# Altium PCB top_INA_v2.PcbDoc (part 1 of 4)
Units mil, origin at the board's own origin, x right, y up, seen from the top; angles counter-clockwise.
Board outline 13413.03 x 6200.01 mil, 2 copper layers (Top Layer, Bottom Layer); 582 components, 532 nets, 1562 pads, 336 vias.
Unrouted connection lines stored in the file: 144.
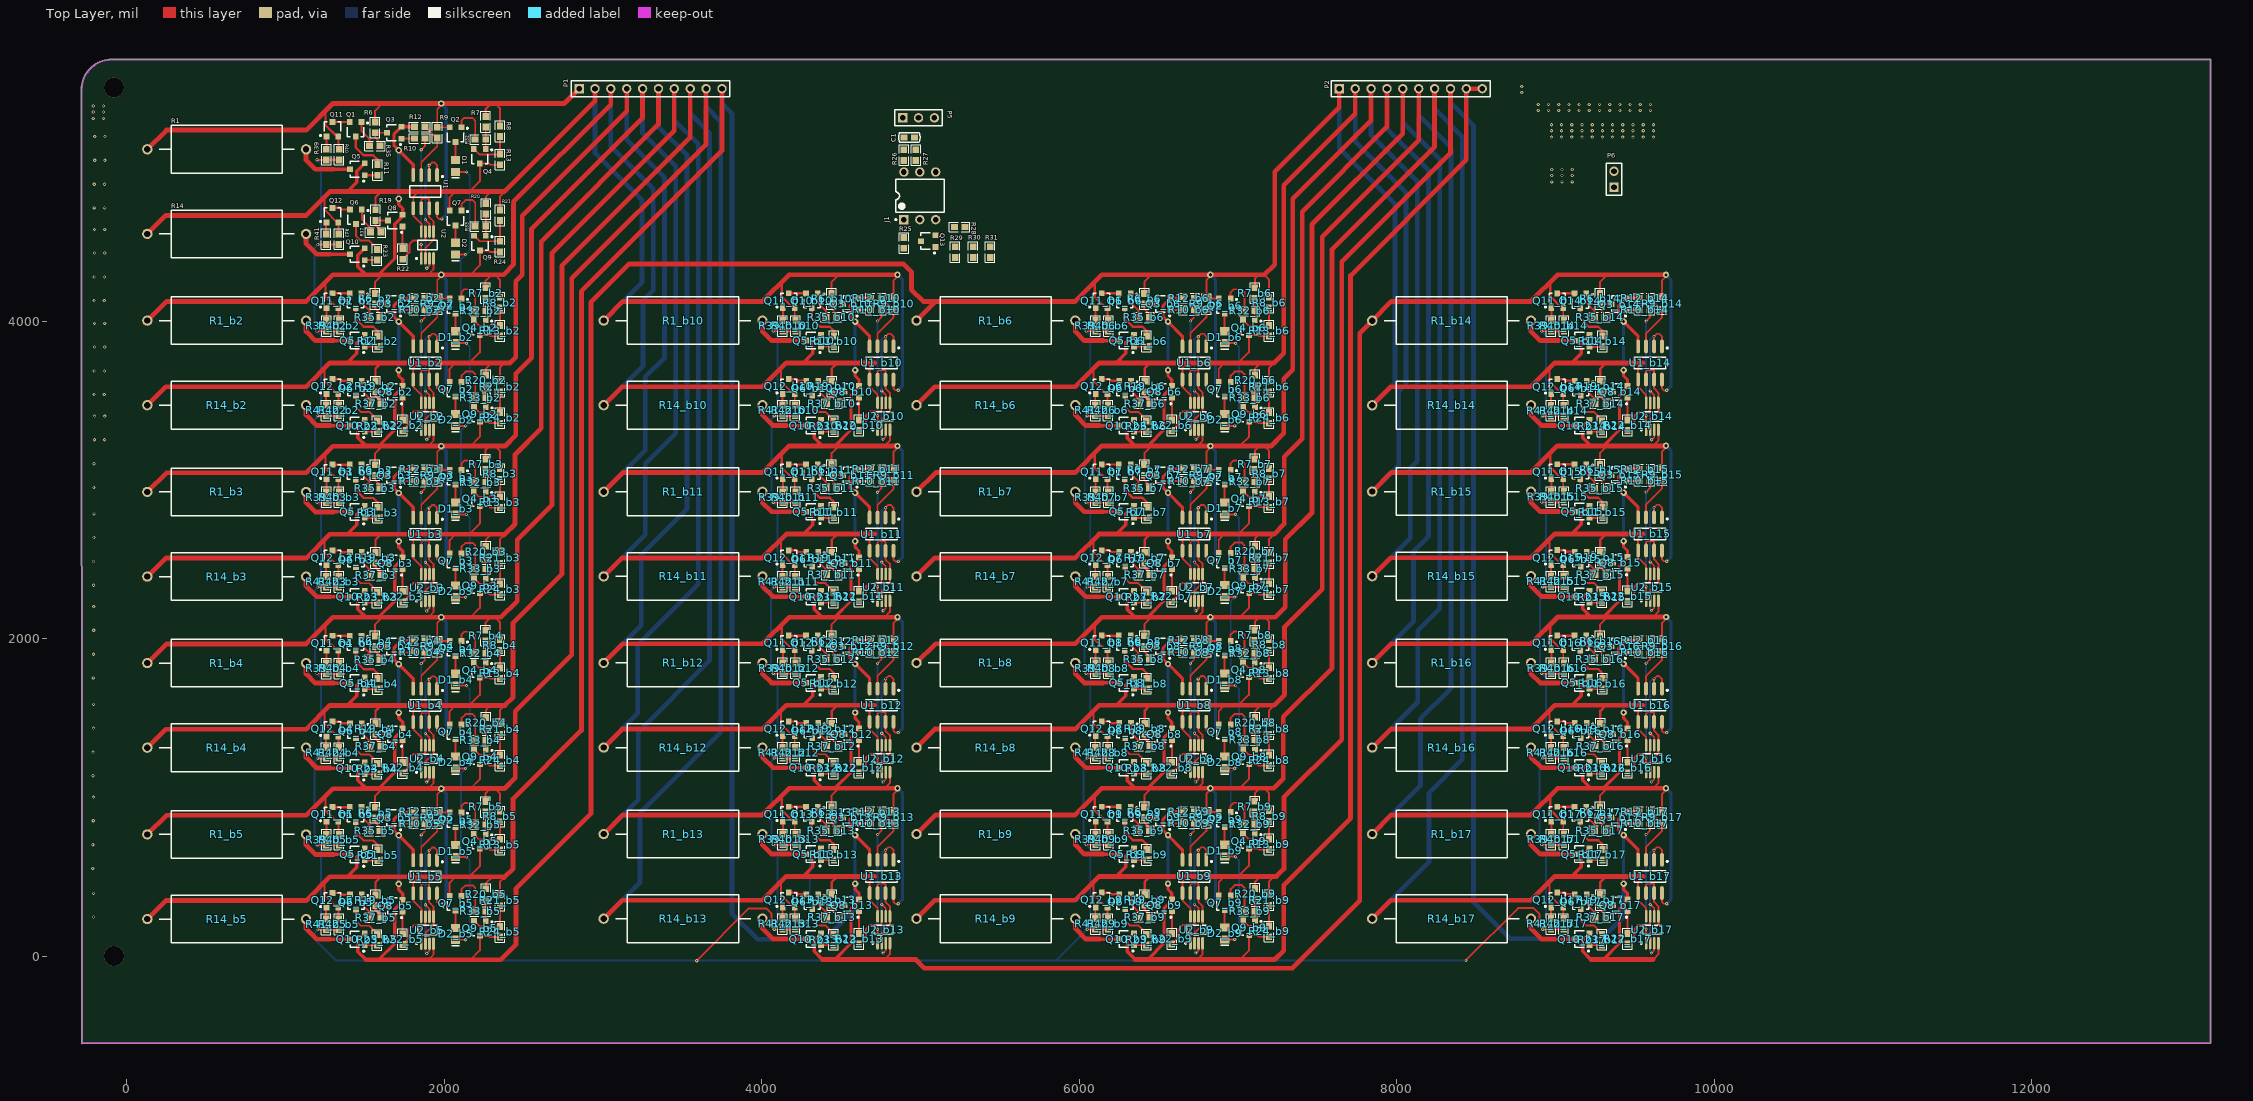
[diagram p0: Top Layer view]
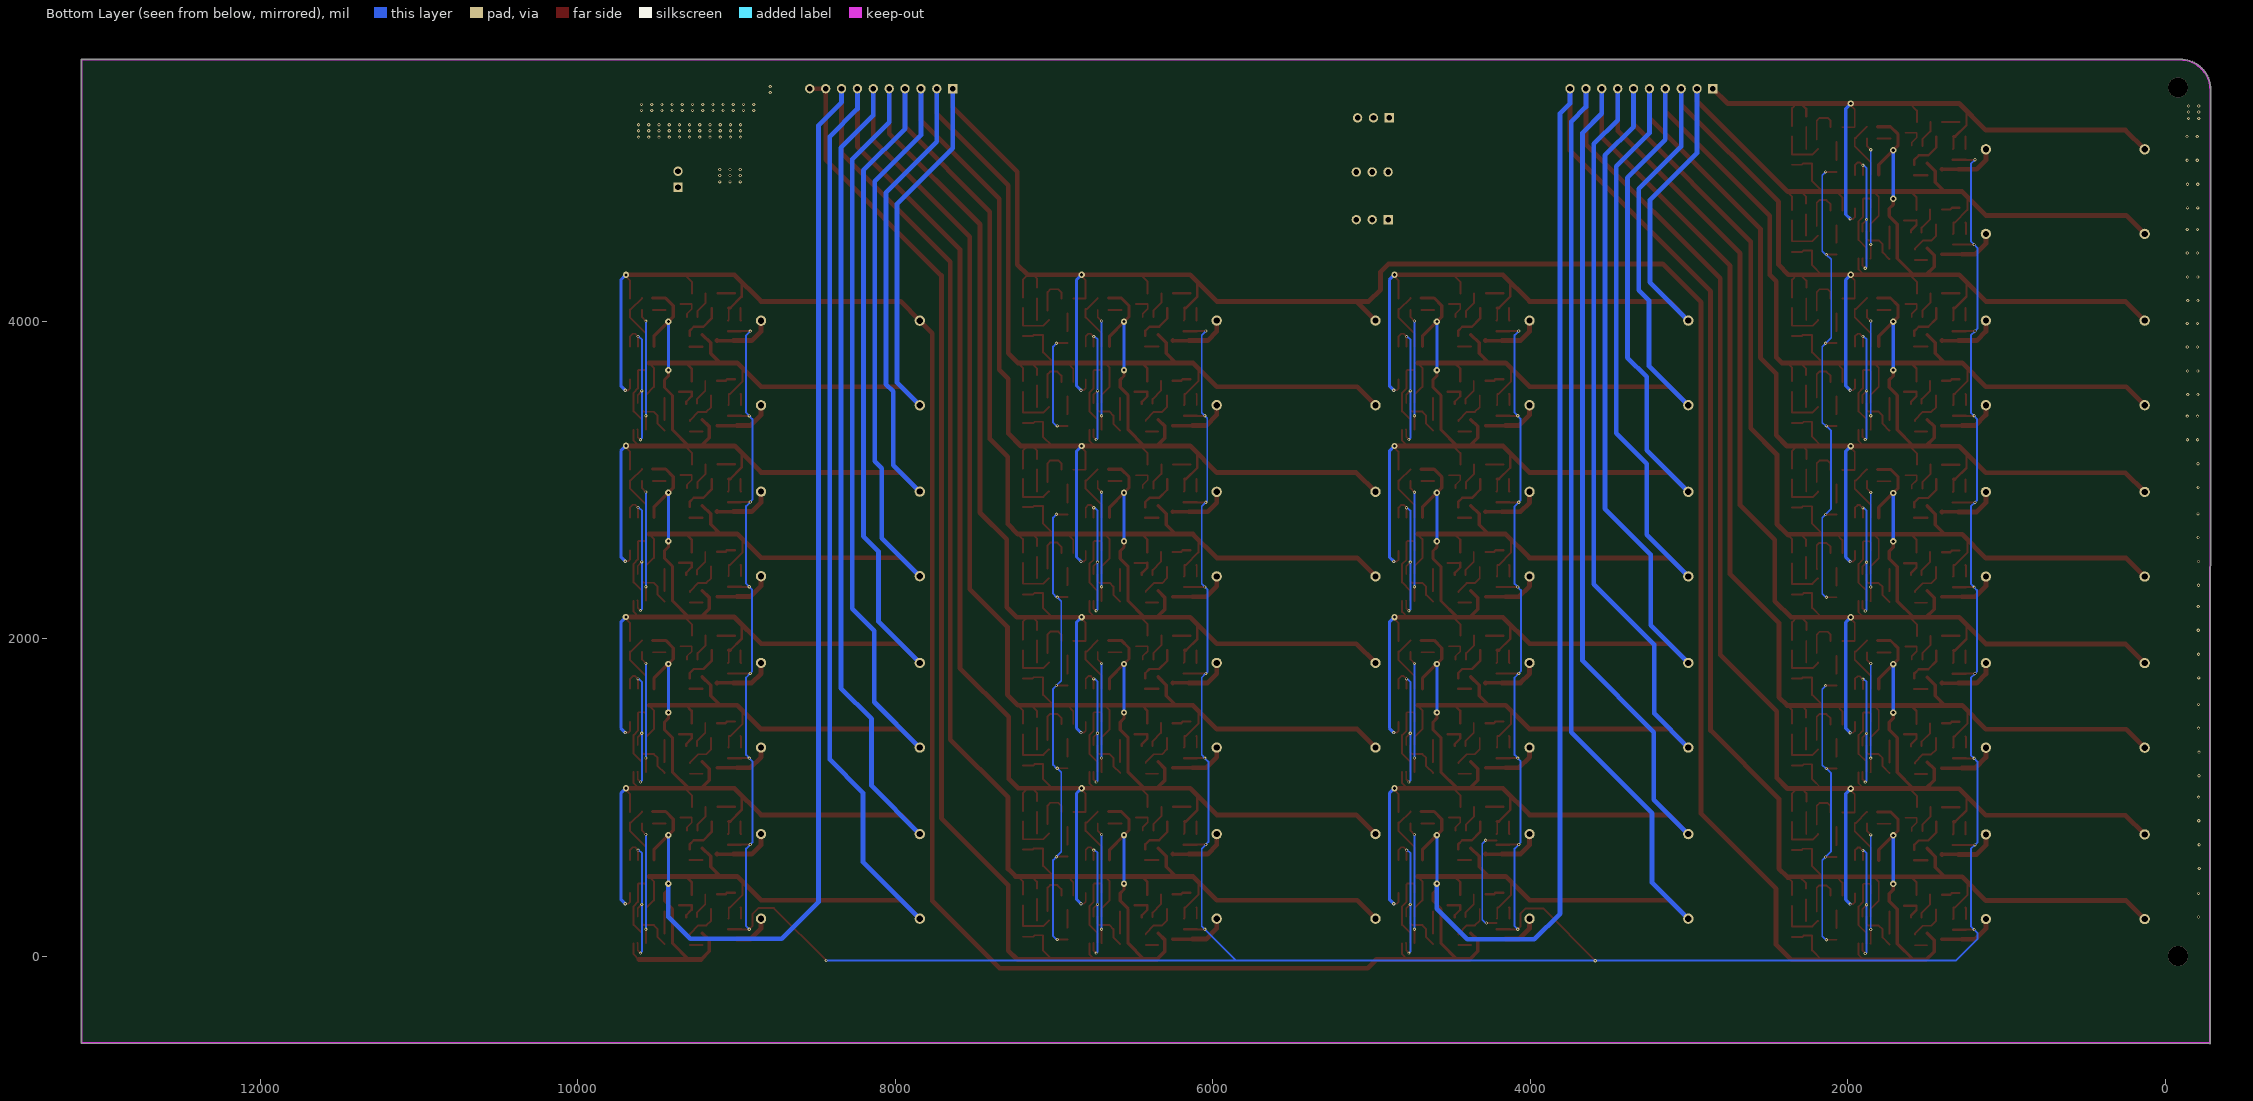
[diagram p1: Bottom Layer view, seen from below]
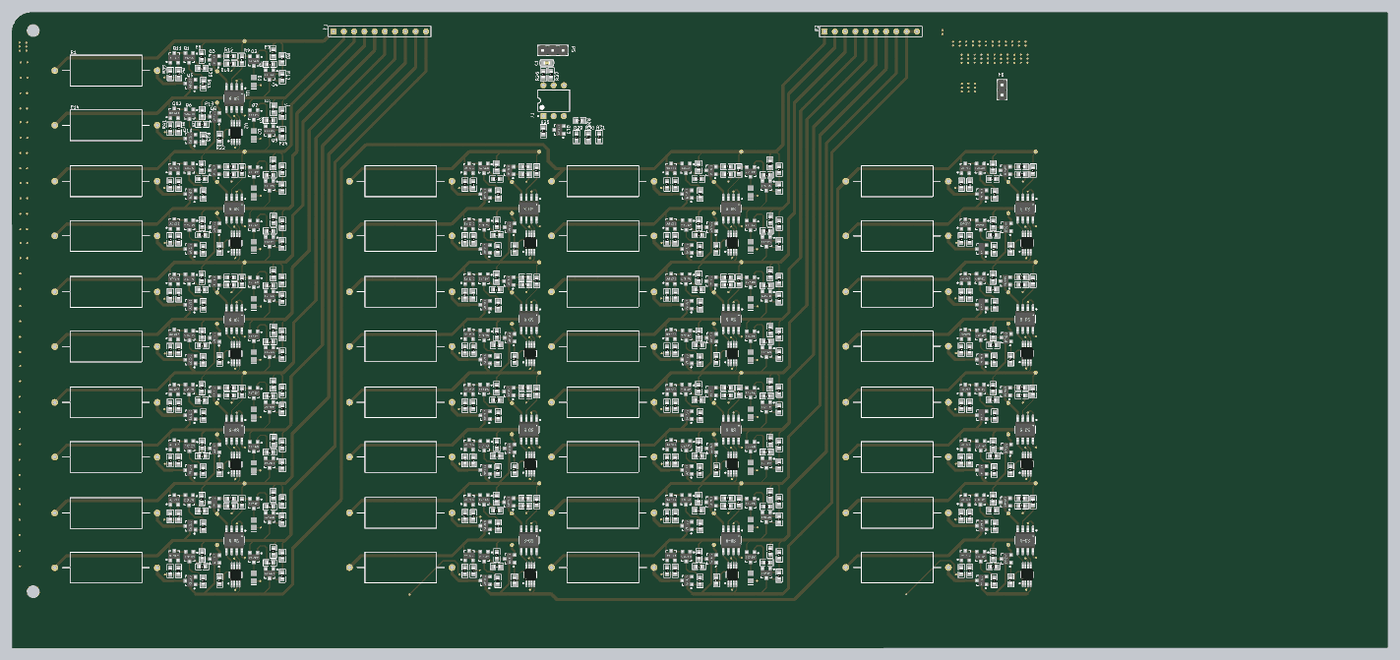
[diagram p5: 3D render of the assembled board from above, using the file's embedded part models]

## Layer stack, top to bottom
Top Solder: solder mask 0.4, Solder Resist, Dk 3.5
Top Layer: signal copper 1.4
Dielectric 1: dielectric 12.6, FR-4, Dk 4.8
Bottom Layer: signal copper 1.4
Bottom Solder: solder mask 0.4, Solder Resist, Dk 3.5

## Board outline
-277.83,-549.99 cw(c-277.83,-544.98) -282.84,-544.98 -286.02,5458 cw(c-281,5458) -286.01,5458.03 cw(c-93,5456.99) -93.97,5650 cw(c-93.94,5644.99) -93.54,5649.99 cw(c-93,5645) -93,5650.01 13122,5650.01 cw(c13122,5645) 13127.01,5645 13127.01,-542.66 cw(c13122,-542.66) 13122,-547.68

## Design rules (kind name [scope] priority, off if disabled: settings)
Clearance [All] p1: gap=10
HoleSize [All] p1: absolutevalues=TRUE maxlimit=1000 minlimit=0 maxpercent=80.000 minpercent=20.000
MinimumSolderMaskSliver [All] p1: minsoldermaskwidth=0
PolygonConnect [All] p1: connectstyle=Relief reliefconductorwidth=10 reliefentries=4 polygonreliefangle="90 Angle" airgapwidth=10
RoomDefinition b3 [InComponentClass('b3')] p1: confinementstyle=ConfineIn formatcopy=TRUE lockcomponents=FALSE outline 72,2108 2481,2108 2481,3244 72,3244
RoomDefinition balance_1.1 [InComponentClass('balance_1.1')] p2: confinementstyle=ConfineIn formatcopy=TRUE lockcomponents=FALSE outline 72,4266 2481,4266 2481,5402 72,5402
RoomDefinition b17 [InComponentClass('b17')] p3: confinementstyle=ConfineIn formatcopy=TRUE lockcomponents=FALSE outline 7786,-47 9756,-47 9756,1089 7786,1089
RoomDefinition b16 [InComponentClass('b16')] p4: confinementstyle=ConfineIn formatcopy=TRUE lockcomponents=FALSE outline 7786,1031 9756,1031 9756,2167 7786,2167
RoomDefinition b15 [InComponentClass('b15')] p5: confinementstyle=ConfineIn formatcopy=TRUE lockcomponents=FALSE outline 7786,2110 9756,2110 9756,3246 7786,3246
RoomDefinition b14 [InComponentClass('b14')] p6: confinementstyle=ConfineIn formatcopy=TRUE lockcomponents=FALSE outline 7786,3186.74 9756,3186.74 9756,4322.74 7786,4322.74
RoomDefinition b13 [InComponentClass('b13')] p7: confinementstyle=ConfineIn formatcopy=TRUE lockcomponents=FALSE outline 2946,-47 4916,-47 4916,1089 2946,1089
RoomDefinition b12 [InComponentClass('b12')] p8: confinementstyle=ConfineIn formatcopy=TRUE lockcomponents=FALSE outline 2946,1031 4916,1031 4916,2167 2946,2167
RoomDefinition b11 [InComponentClass('b11')] p9: confinementstyle=ConfineIn formatcopy=TRUE lockcomponents=FALSE outline 2946,2109 4916,2109 4916,3245 2946,3245
RoomDefinition b10 [InComponentClass('b10')] p10: confinementstyle=ConfineIn formatcopy=TRUE lockcomponents=FALSE outline 2946,3187 4916,3187 4916,4323 2946,4323
RoomDefinition b9 [InComponentClass('b9')] p11: confinementstyle=ConfineIn formatcopy=TRUE lockcomponents=FALSE outline 4916,-47 7325,-47 7325,1089 4916,1089
RoomDefinition b8 [InComponentClass('b8')] p12: confinementstyle=ConfineIn formatcopy=TRUE lockcomponents=FALSE outline 4916,1031 7325,1031 7325,2167 4916,2167
RoomDefinition b7 [InComponentClass('b7')] p13: confinementstyle=ConfineIn formatcopy=TRUE lockcomponents=FALSE outline 4916,2109 7325,2109 7325,3245 4916,3245
RoomDefinition b6 [InComponentClass('b6')] p14: confinementstyle=ConfineIn formatcopy=TRUE lockcomponents=FALSE outline 4916,3187 7325,3187 7325,4323 4916,4323
RoomDefinition b5 [InComponentClass('b5')] p15: confinementstyle=ConfineIn formatcopy=TRUE lockcomponents=FALSE outline 72,-49 2481,-49 2481,1087 72,1087
RoomDefinition b4 [InComponentClass('b4')] p16: confinementstyle=ConfineIn formatcopy=TRUE lockcomponents=FALSE outline 72,1030 2481,1030 2481,2166 72,2166
RoomDefinition b2 [InComponentClass('b2')] p17: confinementstyle=ConfineIn formatcopy=TRUE lockcomponents=FALSE outline 72,3187 2481,3187 2481,4323 72,4323
RoutingVias [All] p1: holewidth=10 width=20 viastyle="Through Hole" minholewidth=1 minwidth=1 maxholewidth=100 maxwidth=100
SilkToSilkClearance [All] p1: silktosilkclearance=1
SilkToSolderMaskClearance [IsPad] p1: minsilkscreentomaskgap=1 clearancetoexposedcopper=TRUE
SolderMaskExpansion [All] p1: expansion=0
Width [All] p1: maxlimit=100 minlimit=1 preferedwidth=12 minimp=50.000000 maximp=50.000000 favimp=50.000000
26 further rules are at their usual default settings.

## Classes and differential pairs
component class b3: D1_b3 D1_b19 D2_b3 D2_b19 Q1_b3 Q1_b19 Q2_b3 Q2_b19 Q3_b3 Q3_b19 Q4_b3 Q4_b19 Q5_b3 Q5_b19 Q6_b3 Q6_b19 Q7_b3 Q7_b19 Q8_b3 Q8_b19 Q9_b3 Q9_b19 Q10_b3 Q10_b19 Q11_b3 Q12_b3 R1_b3 R1_b19 R2_b19 R3_b19 R4_b19 R5_b19 R6_b3 R6_b19 R7_b3 R7_b19 R8_b3 R8_b19 R9_b3 R9_b19 R10_b3 R10_b19 R11_b3 R11_b19 R12_b3 R12_b19 R13_b3 R13_b19 R14_b3 R14_b19 R15_b19 R16_b19 R17_b19 R18_b19 R19_b3 R19_b19 R20_b3 R20_b19 R21_b3 R21_b19 R22_b3 R22_b19 R23_b3 R23_b19 R24_b3 R24_b19 R32_b3 R33_b3 R35_b3 R35_b19 R36_b19 R37_b3 R37_b19 R38_b19 R39_b3 R40_b3 R41_b3 R42_b3 U1_b3 U1_b19 U2_b3 U2_b19
component class b17: D2_b19 Q1_b17 Q1_b19 Q3_b17 Q5_b17 Q5_b19 Q6_b17 Q8_b17 Q10_b17 Q10_b19 Q11_b17 Q12_b17 R1_b17 R3_b19 R5_b19 R6_b17 R6_b19 R9_b17 R9_b19 R10_b17 R11_b17 R11_b19 R12_b17 R13_b19 R14_b17 R14_b19 R16_b19 R18_b19 R19_b17 R20_b19 R22_b17 R22_b19 R23_b17 R24_b19 R35_b17 R36_b19 R37_b17 R38_b19 R39_b17 R40_b17 R41_b17 R42_b17 U1_b17 U2_b17 U2_b19
component class b16: Q1_b16 Q3_b16 Q5_b16 Q6_b16 Q8_b16 Q10_b16 Q11_b16 Q12_b16 R1_b16 R6_b16 R9_b16 R10_b16 R11_b16 R12_b16 R14_b16 R14_b19 R16_b19 R19_b16 R22_b16 R23_b16 R35_b16 R37_b16 R39_b16 R40_b16 R41_b16 R42_b16 U1_b16 U2_b16
component class b15: Q1_b15 Q3_b15 Q5_b15 Q6_b15 Q8_b15 Q10_b15 Q11_b15 Q12_b15 R1_b15 R6_b15 R9_b15 R10_b15 R11_b15 R12_b15 R14_b15 R19_b15 R22_b15 R23_b15 R35_b15 R37_b15 R39_b15 R40_b15 R41_b15 R42_b15 U1_b15 U2_b15
component class b14: Q1_b14 Q3_b14 Q5_b14 Q6_b14 Q8_b14 Q10_b14 Q11_b14 Q12_b14 R1_b14 R6_b14 R9_b14 R10_b14 R11_b14 R12_b14 R14_b14 R19_b14 R22_b14 R23_b14 R35_b14 R37_b14 R39_b14 R40_b14 R41_b14 R42_b14 U1_b14 U2_b14
component class b13: Q1_b13 Q3_b13 Q5_b13 Q6_b13 Q8_b13 Q10_b13 Q11_b13 Q12_b13 R1_b13 R6_b13 R9_b13 R10_b13 R11_b13 R12_b13 R14_b13 R19_b13 R22_b13 R23_b13 R35_b13 R37_b13 R39_b13 R40_b13 R41_b13 R42_b13 U1_b13 U2_b13
component class b12: Q1_b12 Q3_b12 Q5_b12 Q6_b12 Q8_b12 Q10_b12 Q11_b12 Q12_b12 R1_b12 R6_b12 R9_b12 R10_b12 R11_b12 R12_b12 R14_b12 R19_b12 R22_b12 R23_b12 R35_b12 R37_b12 R39_b12 R40_b12 R41_b12 R42_b12 U1_b12 U2_b12
component class b10: Q1_b10 Q3_b10 Q5_b10 Q6_b10 Q8_b10 Q10_b10 Q11_b10 Q12_b10 R1_b10 R6_b10 R9_b10 R10_b10 R11_b10 R12_b10 R14_b10 R19_b10 R22_b10 R23_b10 R35_b10 R37_b10 R39_b10 R40_b10 R41_b10 R42_b10 U1_b10 U2_b10
component class b11: Q1_b11 Q3_b11 Q5_b11 Q6_b11 Q8_b11 Q10_b11 Q11_b11 Q12_b11 R1_b11 R6_b11 R9_b11 R10_b11 R11_b11 R12_b11 R14_b11 R19_b11 R22_b11 R23_b11 R35_b11 R37_b11 R39_b11 R40_b11 R41_b11 R42_b11 U1_b11 U2_b11
component class b9: D1_b9 D2_b9 Q1_b9 Q2_b9 Q3_b9 Q4_b9 Q5_b9 Q6_b9 Q7_b9 Q8_b9 Q9_b9 Q10_b9 Q11_b9 Q12_b9 R1_b9 R6_b9 R7_b9 R8_b9 R9_b9 R10_b9 R11_b9 R12_b9 R13_b9 R14_b9 R19_b9 R20_b9 R21_b9 R22_b9 R23_b9 R24_b9 R32_b9 R33_b9 R35_b9 R37_b9 R39_b9 R40_b9 R41_b9 R42_b9 U1_b9 U2_b9
component class b8: D1_b8 D2_b8 Q1_b8 Q2_b8 Q3_b8 Q4_b8 Q5_b8 Q6_b8 Q7_b8 Q8_b8 Q9_b8 Q10_b8 Q11_b8 Q12_b8 R1_b8 R6_b8 R7_b8 R8_b8 R9_b8 R10_b8 R11_b8 R12_b8 R13_b8 R14_b8 R19_b8 R20_b8 R21_b8 R22_b8 R23_b8 R24_b8 R32_b8 R33_b8 R35_b8 R37_b8 R39_b8 R40_b8 R41_b8 R42_b8 U1_b8 U2_b8
component class b7: D1_b7 D2_b7 Q1_b7 Q2_b7 Q3_b7 Q4_b7 Q5_b7 Q6_b7 Q7_b7 Q8_b7 Q9_b7 Q10_b7 Q11_b7 Q12_b7 R1_b7 R6_b7 R7_b7 R8_b7 R9_b7 R10_b7 R11_b7 R12_b7 R13_b7 R14_b7 R19_b7 R20_b7 R21_b7 R22_b7 R23_b7 R24_b7 R32_b7 R33_b7 R35_b7 R37_b7 R39_b7 R40_b7 R41_b7 R42_b7 U1_b7 U2_b7
component class b6: D1_b6 D2_b6 Q1_b6 Q2_b6 Q3_b6 Q4_b6 Q5_b6 Q6_b6 Q7_b6 Q8_b6 Q9_b6 Q10_b6 Q11_b6 Q12_b6 R1_b6 R6_b6 R7_b6 R8_b6 R9_b6 R10_b6 R11_b6 R12_b6 R13_b6 R14_b6 R19_b6 R20_b6 R21_b6 R22_b6 R23_b6 R24_b6 R32_b6 R33_b6 R35_b6 R37_b6 R39_b6 R40_b6 R41_b6 R42_b6 U1_b6 U2_b6
component class b5: D1_b5 D2_b5 Q1_b5 Q2_b5 Q3_b5 Q4_b5 Q5_b5 Q6_b5 Q7_b5 Q8_b5 Q9_b5 Q10_b5 Q11_b5 Q12_b5 R1_b5 R6_b5 R7_b5 R8_b5 R9_b5 R10_b5 R11_b5 R12_b5 R13_b5 R14_b5 R19_b5 R20_b5 R21_b5 R22_b5 R23_b5 R24_b5 R32_b5 R33_b5 R35_b5 R37_b5 R39_b5 R40_b5 R41_b5 R42_b5 U1_b5 U2_b5
component class top_1: C1 J1 P1 P2 P5 P6 Q13 R25 R26 R27 R28 R29 R30 R31
component class b4: D1_b4 D2_b4 Q1_b4 Q2_b4 Q3_b4 Q4_b4 Q5_b4 Q6_b4 Q7_b4 Q8_b4 Q9_b4 Q10_b4 Q11_b4 Q12_b4 R1_b4 R6_b4 R7_b4 R8_b4 R9_b4 R10_b4 R11_b4 R12_b4 R13_b4 R14_b4 R19_b4 R20_b4 R21_b4 R22_b4 R23_b4 R24_b4 R32_b4 R33_b4 R35_b4 R37_b4 R39_b4 R40_b4 R41_b4 R42_b4 U1_b4 U2_b4
component class balance_1.1: D1 D2 Q1 Q2 Q3 Q4 Q5 Q6 Q7 Q8 Q9 Q10 Q11 Q12 R1 R6 R7 R8 R9 R10 R11 R12 R13 R14 R19 R20 R21 R22 R23 R24 R32 R33 R35 R37 R39 R40 R41 R42 U1 U2
net class OUT[1..16]: OUT2 OUT5 OUT8 OUT9 OUT10 OUT11 OUT12 OUT13 OUT14 OUT15 OUT16
net class IN_A[1..16]: IN_A0 IN_A1 IN_A2 IN_A3 IN_A4 IN_A5 IN_A6 IN_A7 IN_A8 IN_A9 IN_A10 IN_A11 IN_A12 IN_A13 IN_A14 IN_A15 IN_A16
component class b2: D1_b1 D1_b2 D2_b1 D2_b2 Q1_b1 Q1_b2 Q2_b1 Q2_b2 Q3_b1 Q3_b2 Q4_b1 Q4_b2 Q5_b1 Q5_b2 Q6_b1 Q6_b2 Q7_b1 Q7_b2 Q8_b1 Q8_b2 Q9_b1 Q9_b2 Q10_b1 Q10_b2 Q11_b2 Q12_b2 R1_b1 R1_b2 R2_b1 R3_b1 R4_b1 R5_b1 R6_b1 R6_b2 R7_b1 R7_b2 R8_b1 R8_b2 R9_b1 R9_b2 R10_b1 R10_b2 R11_b1 R11_b2 R12_b1 R12_b2 R13_b1 R13_b2 R14_b1 R14_b2 R15_b1 R16_b1 R17_b1 R18_b1 R19_b1 R19_b2 R20_b1 R20_b2 R21_b1 R21_b2 R22_b1 R22_b2 R23_b1 R23_b2 R24_b1 R24_b2 R32_b2 R33_b2 R35_b2 R37_b2 R39_b2 R40_b2 R41_b2 R42_b2 U1_b1 U1_b2 U2_b1 U2_b2
net class IN_B[1..16]: IN_B8
net class IN_C[1..16]: IN_C8
net class OUT_G[1..16]: OUT_G16
channel class balance_1.1: b2 b3 b4 b5 b6 b7 b8 b9 b10 b11 b12 b13 b14 b15 b16 b17 b18 balance_1.1

## Components (designator, comment, footprint, x,y, rotation, side; value= is the part's Value field where it differs from the comment)
C1 "Cap-S" C-0603 4930,5157 r180 top
D1 "1N4148" LED-0805 2071.87,4977.54 r270 top
D1_b2 "1N4148" LED-0805 2071.87,3898.54 r270 top (schematic designator D1)
D1_b3 "1N4148" LED-0805 2071.87,2819.54 r270 top (schematic designator D1)
D1_b4 "1N4148" LED-0805 2071.87,1741.54 r270 top (schematic designator D1)
D1_b5 "1N4148" LED-0805 2071.87,662.54 r270 top (schematic designator D1)
D1_b6 "1N4148" LED-0805 6915.87,3898.54 r270 top (schematic designator D1)
D1_b7 "1N4148" LED-0805 6915.87,2820.54 r270 top (schematic designator D1)
D1_b8 "1N4148" LED-0805 6915.87,1742.54 r270 top (schematic designator D1)
D1_b9 "1N4148" LED-0805 6915.87,664.54 r270 top (schematic designator D1)
D2 "1N4148" LED-0805 2071.87,4456.54 r270 top
D2_b2 "1N4148" LED-0805 2071.87,3377.54 r270 top (schematic designator D2)
D2_b3 "1N4148" LED-0805 2071.87,2298.54 r270 top (schematic designator D2)
D2_b4 "1N4148" LED-0805 2071.87,1220.54 r270 top (schematic designator D2)
D2_b5 "1N4148" LED-0805 2071.87,141.54 r270 top (schematic designator D2)
D2_b6 "1N4148" LED-0805 6915.87,3377.54 r270 top (schematic designator D2)
D2_b7 "1N4148" LED-0805 6915.87,2299.54 r270 top (schematic designator D2)
D2_b8 "1N4148" LED-0805 6915.87,1221.54 r270 top (schematic designator D2)
D2_b9 "1N4148" LED-0805 6915.87,143.54 r270 top (schematic designator D2)
J1 "G3VM-61" DIP-6 4996,4789 r90 top
P1 "Header 10" HDR10X1-2.54 3350,5464 r0 top
P2 "Header 10" HDR10X1-2.54 8138,5464 r0 top
P5 "Header 3" HDR3X1-2.54 4888,5280 r0 top
P6 "Header 2" HDR2X1-2.54 9368,4844 r90 top
Q1 "MMBT3906" SOT23-3 1442.4,5208 r180 top
Q1_b2 "MMBT3906" SOT23-3 1442.4,4129 r180 top (schematic designator Q1)
Q1_b3 "MMBT3906" SOT23-3 1442.4,3050 r180 top (schematic designator Q1)
Q1_b4 "MMBT3906" SOT23-3 1442.4,1972 r180 top (schematic designator Q1)
Q1_b5 "MMBT3906" SOT23-3 1442.4,893 r180 top (schematic designator Q1)
Q1_b6 "MMBT3906" SOT23-3 6286.4,4129 r180 top (schematic designator Q1)
Q1_b7 "MMBT3906" SOT23-3 6286.4,3051 r180 top (schematic designator Q1)
Q1_b8 "MMBT3906" SOT23-3 6286.4,1973 r180 top (schematic designator Q1)
Q1_b9 "MMBT3906" SOT23-3 6286.4,895 r180 top (schematic designator Q1)
Q1_b10 "MMBT3906" SOT23-3 4316.4,4129 r180 top (schematic designator Q1)
Q1_b11 "MMBT3906" SOT23-3 4316.4,3051 r180 top (schematic designator Q1)
Q1_b12 "MMBT3906" SOT23-3 4316.4,1973 r180 top (schematic designator Q1)
Q1_b13 "MMBT3906" SOT23-3 4316.4,895 r180 top (schematic designator Q1)
Q1_b14 "MMBT3906" SOT23-3 9156.4,4128.74 r180 top (schematic designator Q1)
Q1_b15 "MMBT3906" SOT23-3 9156.4,3052 r180 top (schematic designator Q1)
Q1_b16 "MMBT3906" SOT23-3 9156.4,1973 r180 top (schematic designator Q1)
Q1_b17 "MMBT3906" SOT23-3 9156.4,895 r180 top (schematic designator Q1)
Q2 "MMBT5400" SOT23-3 2071.87,5174.54 r180 top
Q2_b2 "MMBT5400" SOT23-3 2071.87,4095.54 r180 top (schematic designator Q2)
Q2_b3 "MMBT5400" SOT23-3 2071.87,3016.54 r180 top (schematic designator Q2)
Q2_b4 "MMBT5400" SOT23-3 2071.87,1938.54 r180 top (schematic designator Q2)
Q2_b5 "MMBT5400" SOT23-3 2071.87,859.54 r180 top (schematic designator Q2)
Q2_b6 "MMBT5400" SOT23-3 6915.87,4095.54 r180 top (schematic designator Q2)
Q2_b7 "MMBT5400" SOT23-3 6915.87,3017.54 r180 top (schematic designator Q2)
Q2_b8 "MMBT5400" SOT23-3 6915.87,1939.54 r180 top (schematic designator Q2)
Q2_b9 "MMBT5400" SOT23-3 6915.87,861.54 r180 top (schematic designator Q2)
Q3 "MMBT3904" SOT23-3 1685.73,5186.94 r90 top
Q3_b2 "MMBT3904" SOT23-3 1685.73,4107.94 r90 top (schematic designator Q3)
Q3_b3 "MMBT3904" SOT23-3 1685.73,3028.94 r90 top (schematic designator Q3)
Q3_b4 "MMBT3904" SOT23-3 1685.73,1950.94 r90 top (schematic designator Q3)
Q3_b5 "MMBT3904" SOT23-3 1685.73,871.94 r90 top (schematic designator Q3)
Q3_b6 "MMBT3904" SOT23-3 6529.73,4107.94 r90 top (schematic designator Q3)
Q3_b7 "MMBT3904" SOT23-3 6529.73,3029.94 r90 top (schematic designator Q3)
Q3_b8 "MMBT3904" SOT23-3 6529.73,1951.94 r90 top (schematic designator Q3)
Q3_b9 "MMBT3904" SOT23-3 6529.73,873.94 r90 top (schematic designator Q3)
Q3_b10 "MMBT3904" SOT23-3 4559.73,4107.94 r90 top (schematic designator Q3)
Q3_b11 "MMBT3904" SOT23-3 4559.73,3029.94 r90 top (schematic designator Q3)
Q3_b12 "MMBT3904" SOT23-3 4559.73,1951.94 r90 top (schematic designator Q3)
Q3_b13 "MMBT3904" SOT23-3 4559.73,873.94 r90 top (schematic designator Q3)
Q3_b14 "MMBT3904" SOT23-3 9399.73,4107.68 r90 top (schematic designator Q3)
Q3_b15 "MMBT3904" SOT23-3 9399.73,3030.94 r90 top (schematic designator Q3)
Q3_b16 "MMBT3904" SOT23-3 9399.73,1951.94 r90 top (schematic designator Q3)
Q3_b17 "MMBT3904" SOT23-3 9399.73,873.94 r90 top (schematic designator Q3)
Q4 "TL431" SOT23-3 2224.87,5038.54 r180 top
Q4_b2 "TL431" SOT23-3 2224.87,3959.54 r180 top (schematic designator Q4)
Q4_b3 "TL431" SOT23-3 2224.87,2880.54 r180 top (schematic designator Q4)
Q4_b4 "TL431" SOT23-3 2224.87,1802.54 r180 top (schematic designator Q4)
Q4_b5 "TL431" SOT23-3 2224.87,723.54 r180 top (schematic designator Q4)
Q4_b6 "TL431" SOT23-3 7068.87,3959.54 r180 top (schematic designator Q4)
Q4_b7 "TL431" SOT23-3 7068.87,2881.54 r180 top (schematic designator Q4)
Q4_b8 "TL431" SOT23-3 7068.87,1803.54 r180 top (schematic designator Q4)
Q4_b9 "TL431" SOT23-3 7068.87,725.54 r180 top (schematic designator Q4)
Q5 "MOSFET-N" SOT23-3 1453.87,4956.54 r90 top
Q5_b2 "MOSFET-N" SOT23-3 1453.87,3877.54 r90 top (schematic designator Q5)
Q5_b3 "MOSFET-N" SOT23-3 1453.87,2798.54 r90 top (schematic designator Q5)
Q5_b4 "MOSFET-N" SOT23-3 1453.87,1720.54 r90 top (schematic designator Q5)
Q5_b5 "MOSFET-N" SOT23-3 1453.87,641.54 r90 top (schematic designator Q5)
Q5_b6 "MOSFET-N" SOT23-3 6297.87,3877.54 r90 top (schematic designator Q5)
Q5_b7 "MOSFET-N" SOT23-3 6297.87,2799.54 r90 top (schematic designator Q5)
Q5_b8 "MOSFET-N" SOT23-3 6297.87,1721.54 r90 top (schematic designator Q5)
Q5_b9 "MOSFET-N" SOT23-3 6297.87,643.54 r90 top (schematic designator Q5)
Q5_b10 "MOSFET-N" SOT23-3 4327.87,3877.54 r90 top (schematic designator Q5)
Q5_b11 "MOSFET-N" SOT23-3 4327.87,2799.54 r90 top (schematic designator Q5)
Q5_b12 "MOSFET-N" SOT23-3 4327.87,1721.54 r90 top (schematic designator Q5)
Q5_b13 "MOSFET-N" SOT23-3 4327.87,643.54 r90 top (schematic designator Q5)
Q5_b14 "MOSFET-N" SOT23-3 9167.87,3877.28 r90 top (schematic designator Q5)
Q5_b15 "MOSFET-N" SOT23-3 9167.87,2800.54 r90 top (schematic designator Q5)
Q5_b16 "MOSFET-N" SOT23-3 9167.87,1721.54 r90 top (schematic designator Q5)
Q5_b17 "MOSFET-N" SOT23-3 9167.87,643.54 r90 top (schematic designator Q5)
Q6 "MMBT3906" SOT23-3 1444.87,4656.54 r180 top
Q6_b2 "MMBT3906" SOT23-3 1444.87,3577.54 r180 top (schematic designator Q6)
Q6_b3 "MMBT3906" SOT23-3 1444.87,2498.54 r180 top (schematic designator Q6)
Q6_b4 "MMBT3906" SOT23-3 1444.87,1420.54 r180 top (schematic designator Q6)
Q6_b5 "MMBT3906" SOT23-3 1444.87,341.54 r180 top (schematic designator Q6)
Q6_b6 "MMBT3906" SOT23-3 6288.87,3577.54 r180 top (schematic designator Q6)
Q6_b7 "MMBT3906" SOT23-3 6288.87,2499.54 r180 top (schematic designator Q6)
Q6_b8 "MMBT3906" SOT23-3 6288.87,1421.54 r180 top (schematic designator Q6)
Q6_b9 "MMBT3906" SOT23-3 6288.87,343.54 r180 top (schematic designator Q6)
Q6_b10 "MMBT3906" SOT23-3 4318.87,3577.54 r180 top (schematic designator Q6)
Q6_b11 "MMBT3906" SOT23-3 4318.87,2499.54 r180 top (schematic designator Q6)
Q6_b12 "MMBT3906" SOT23-3 4318.87,1421.54 r180 top (schematic designator Q6)
Q6_b13 "MMBT3906" SOT23-3 4318.87,343.54 r180 top (schematic designator Q6)
Q6_b14 "MMBT3906" SOT23-3 9158.87,3577.28 r180 top (schematic designator Q6)
Q6_b15 "MMBT3906" SOT23-3 9158.87,2500.54 r180 top (schematic designator Q6)
Q6_b16 "MMBT3906" SOT23-3 9158.87,1421.54 r180 top (schematic designator Q6)
Q6_b17 "MMBT3906" SOT23-3 9158.87,343.54 r180 top (schematic designator Q6)
Q7 "MMBT5400" SOT23-3 2071.87,4649.54 r180 top
Q7_b2 "MMBT5400" SOT23-3 2071.87,3570.54 r180 top (schematic designator Q7)
Q7_b3 "MMBT5400" SOT23-3 2071.87,2491.54 r180 top (schematic designator Q7)
Q7_b4 "MMBT5400" SOT23-3 2071.87,1413.54 r180 top (schematic designator Q7)
Q7_b5 "MMBT5400" SOT23-3 2071.87,334.54 r180 top (schematic designator Q7)
Q7_b6 "MMBT5400" SOT23-3 6915.87,3570.54 r180 top (schematic designator Q7)